# Allegro board IMC-IO_A-IN_A2.brd
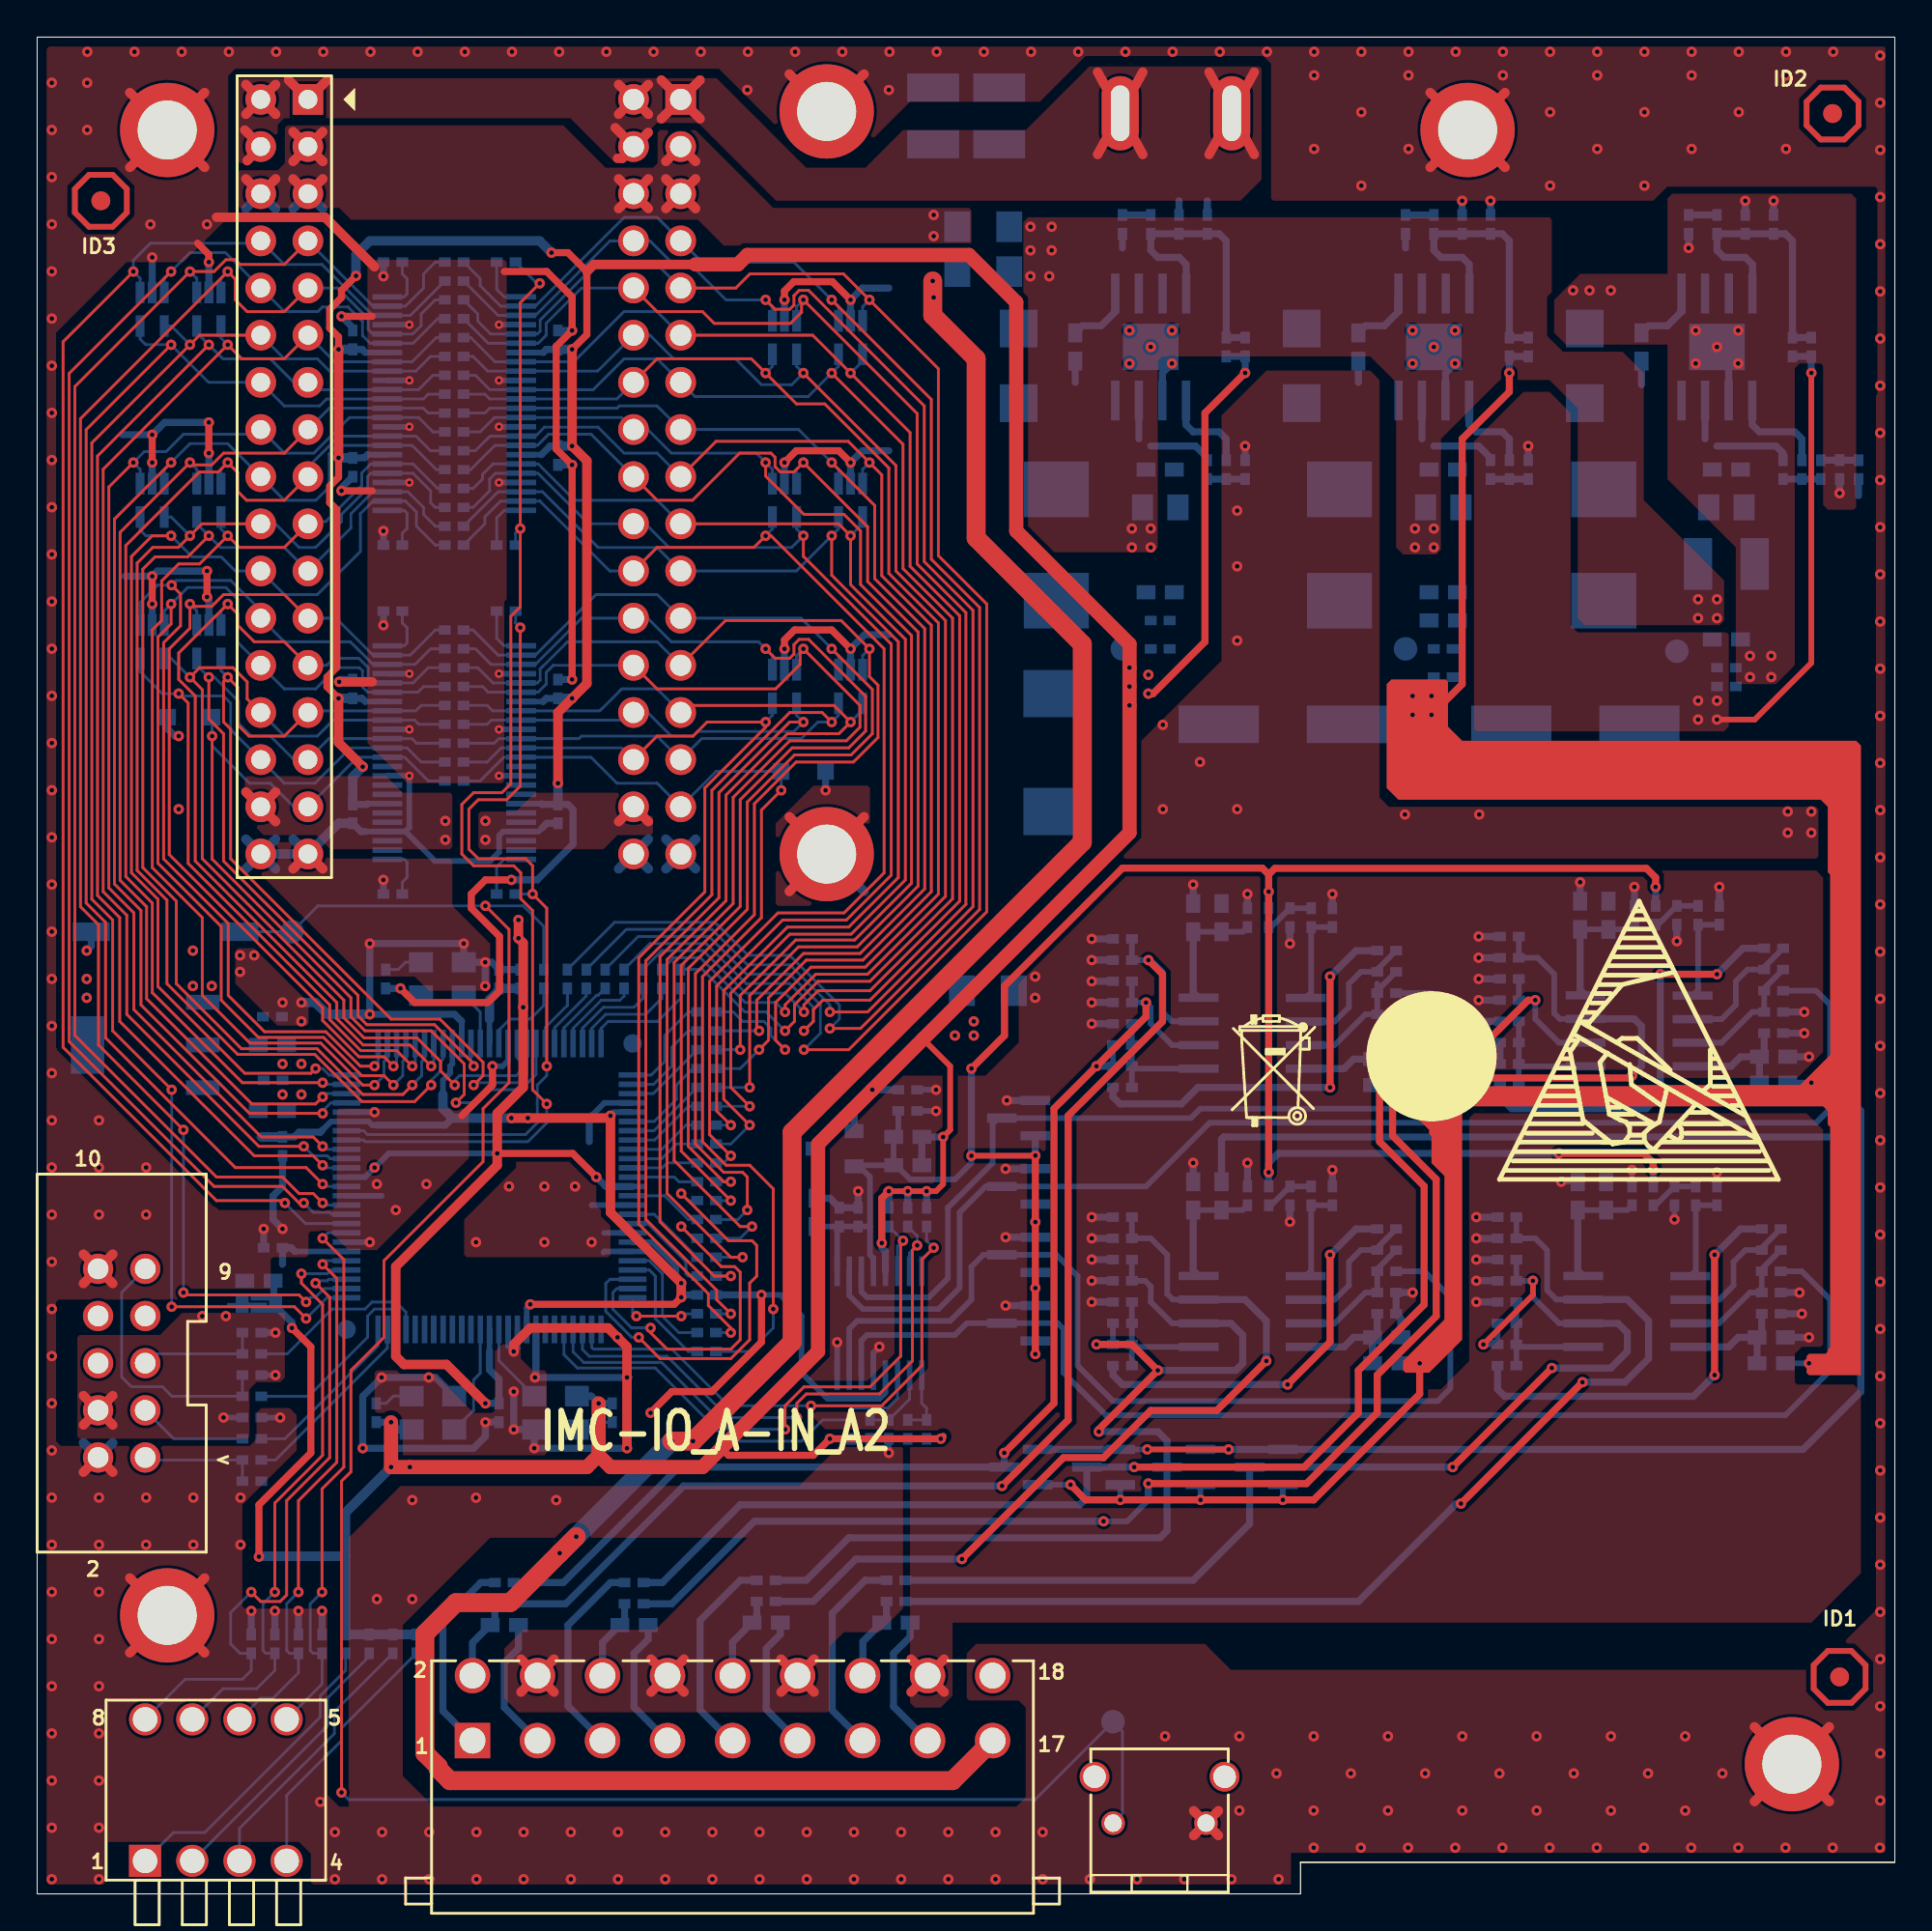
[diagram p0: board, top side]
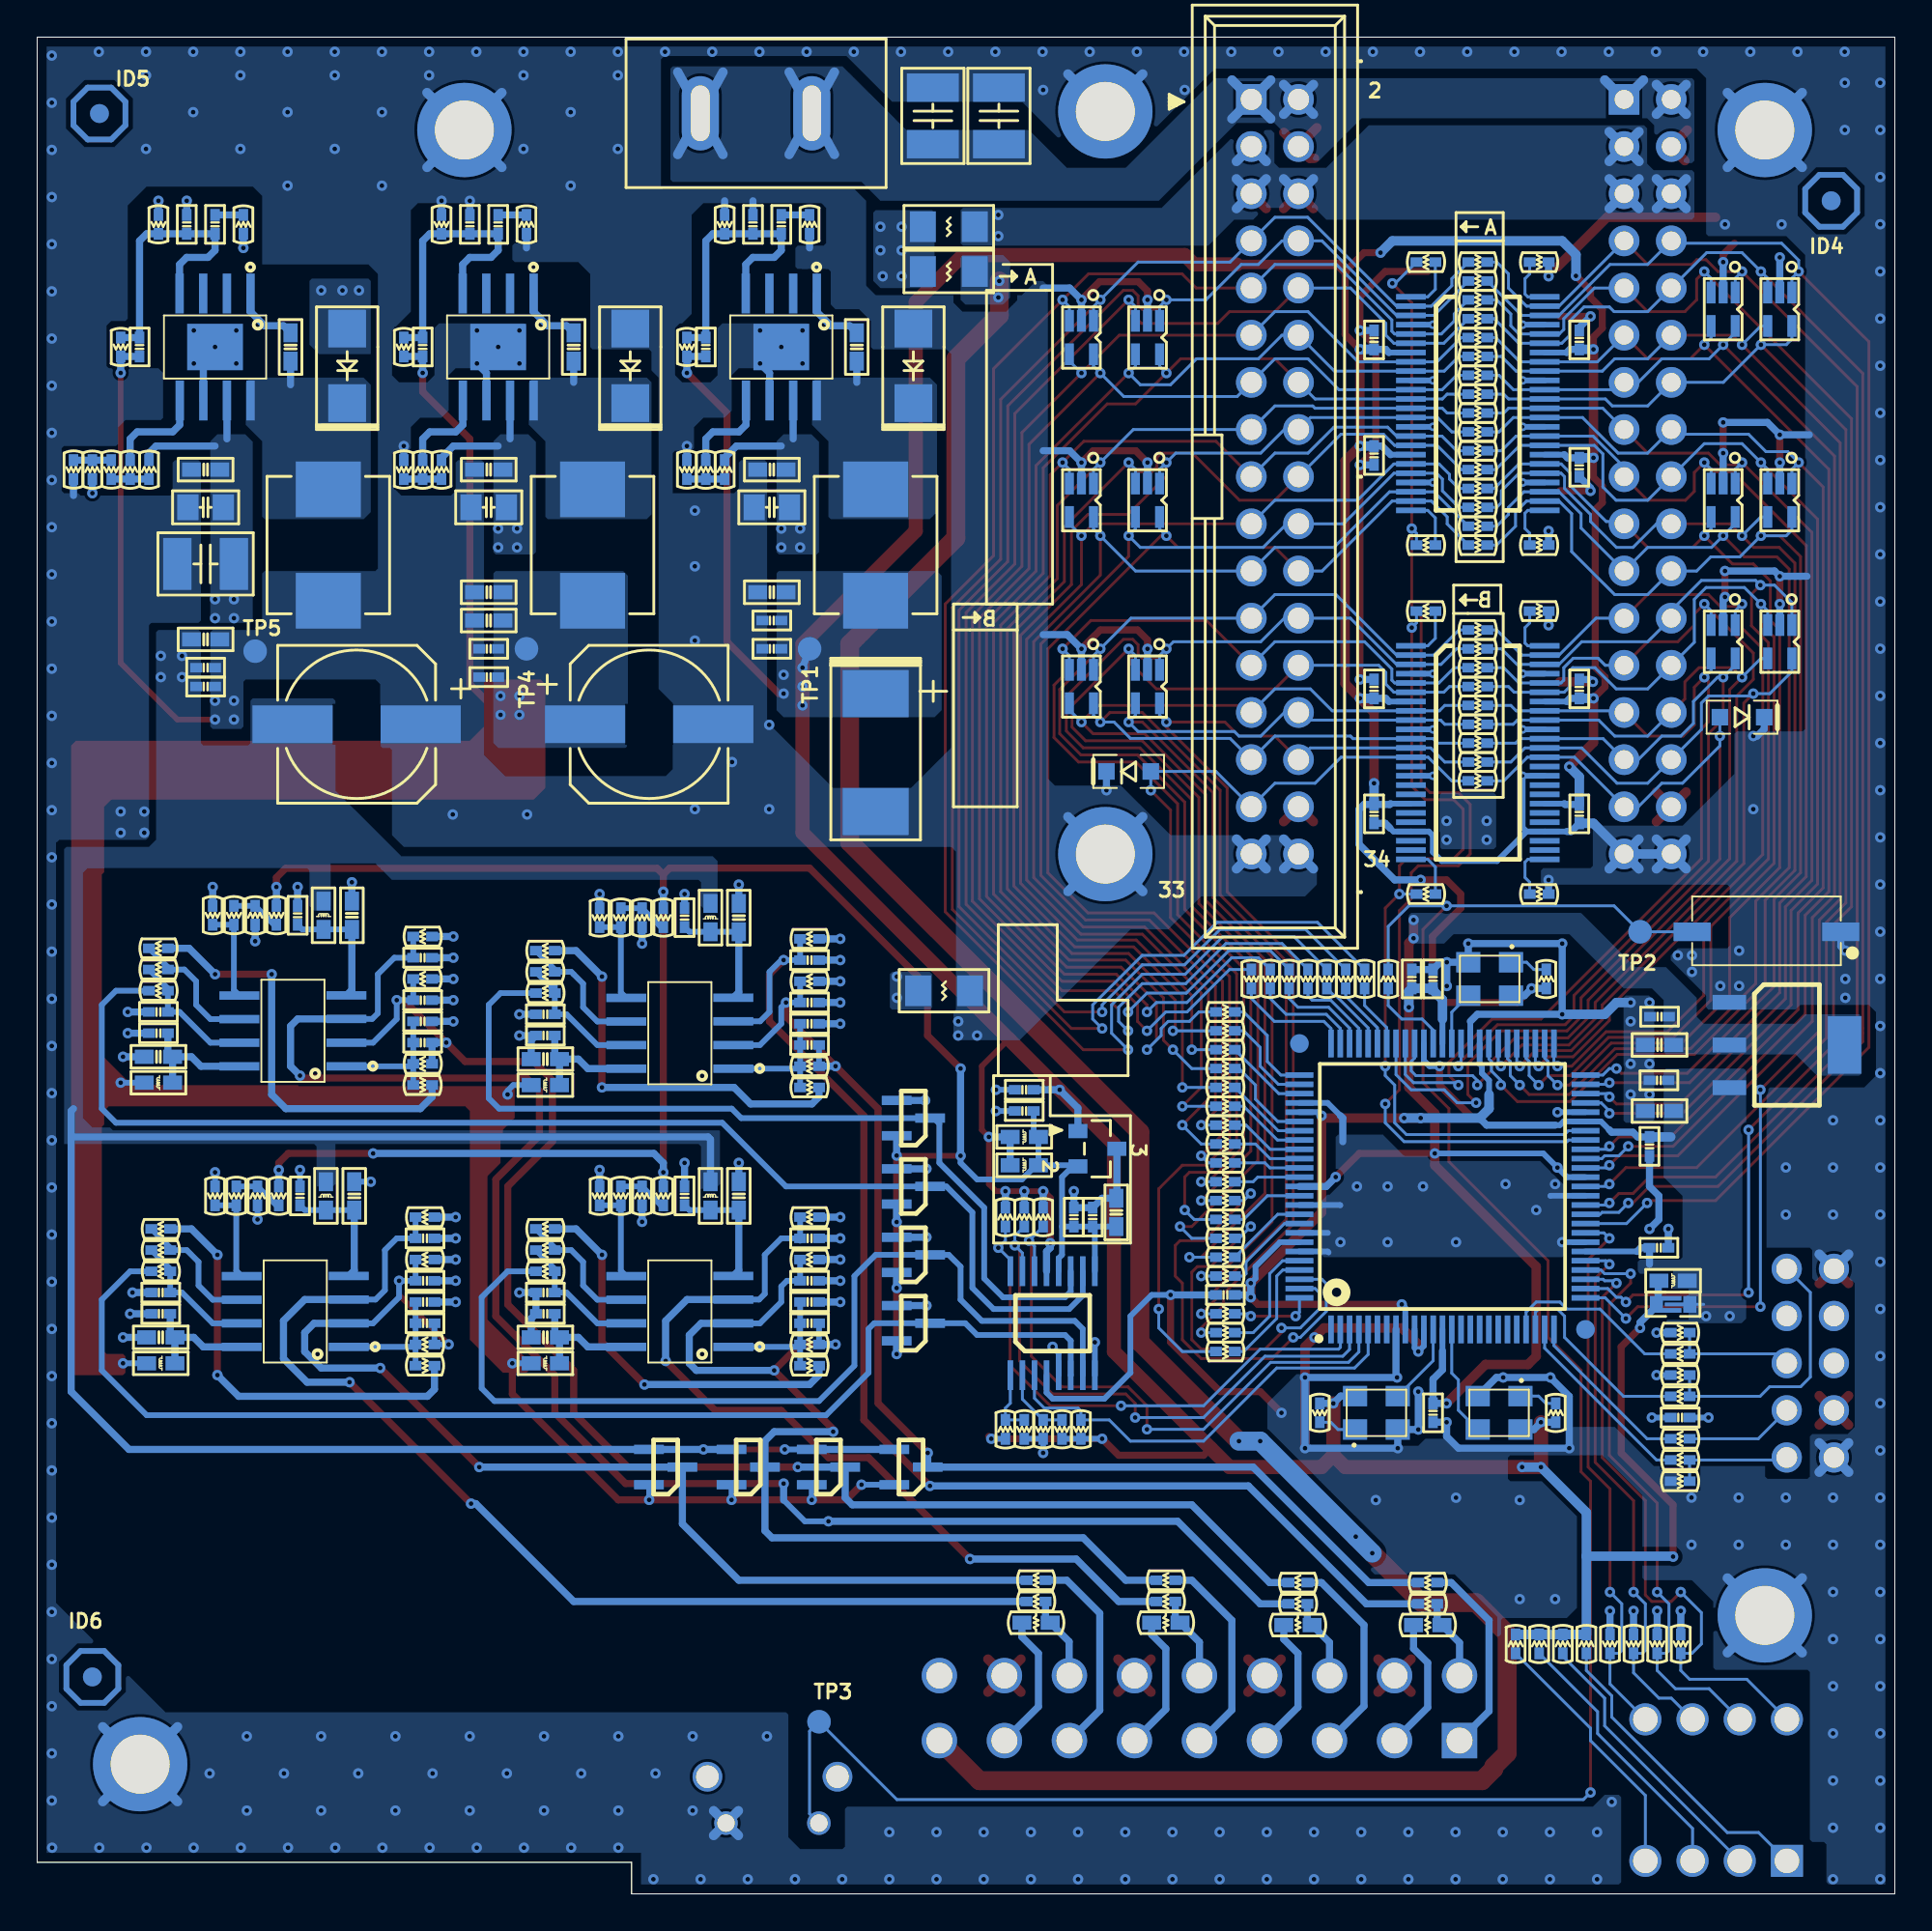
[diagram p1: board, bottom side, seen from below]

Outline 100 x 100 mm; copper layers: TOP, BOTTOM. Coordinates in mm from the lower left corner of the outline.
Outline path: 0,100 0,0 ; 0,100 100,100 ; 0,100 0,0 ; 0,100 100,100 ; 0,0 68,0 ; 0,0 68,0 ; 100,100 100,1.7 ; 100,100 100,1.7 ; 68,0 68,1.7 ; 68,0 68,1.7 ; 68,1.7 100,1.7 ; 68,1.7 100,1.7

## Design rules (mm)
net group AIN0: nets AIN0 N12532476
net group AIN1: nets AIN1 N12535042
net group AIN2: nets AIN2 N12539490
net group AIN3: nets AIN3 N12540610
net group EX_ADD5: nets EX_ADD5 N12576967
net group EX_DATA5: nets EX_DATA5 N12577019
net group EX_DATA6: nets EX_DATA6 N12577021
net group EX_DATA7: nets EX_DATA7 N12577025
net group EX_DATA8: nets EX_DATA8 N12577023
net group IIN0+: nets IIN0+ N12518351 V/IIN0-
net group IIN1+: nets IIN1+ N12534254 V/IIN1-
net group IIN2+: nets IIN2+ N12538702 V/IIN2-
net group IIN3+: nets IIN3+ N12539814 V/IIN3-
net group POWER: nets VDD_24V
net group VIN0+: nets N12518251 N12518743 N12518887 VIN0+
net group VIN1+: nets N12534114 N12534118 N12534752 VIN1+
net group VIN2+: nets N12538562 N12538566 N12539200 VIN2+
net group VIN3+: nets N12539666 N12539678 N12540324 VIN3+

## Placement (name value [footprint] x y rotation side)
C1  10nF  [C0603]  55.88 83.31 270 bottom
C2  150uF  [CAP_CASE_D]  54.86 61.47 90 bottom
C3  1.5nF  [C0402]  64.01 83.31 90 bottom
C4  10uF  [C0603]  60.45 70.1 0 bottom
C5  100nF  [C0402]  60.45 67.06 0 bottom
C6  100nF  [C0402]  60.45 68.58 0 bottom
C7  4.7uF  [C0805]  60.45 74.68 0 bottom
C8  150pF  [C0402]  61.47 89.92 90 bottom
C9  100nF  [C0603]  60.45 76.71 0 bottom
C10  100nF  [C0402]  59.94 89.92 90 bottom
C11  10uF  [C0603]  12.67 42.16 0 bottom
C12  100nF  [C0402]  12.7 43.81 0 bottom
C13  10uF  [C0603]  12.67 45.72 0 bottom
C14  100nF  [C0402]  12.67 47.24 0 bottom
C15  100nF  [C0402]  12.7 34.8 180 bottom
C16  100nF  [C0402]  36.04 32.26 0 bottom
C17  100nF  [C0402]  13.21 40.26 270 bottom
C18  100nF  [C0402]  24.86 25.91 270 bottom
C19  100nF  [C0402]  26 49.28 90 bottom
C20  100nF  [C0402]  24.86 49.28 90 bottom
C21  100nF  [C0402]  11.56 25.65 0 bottom
C22  100nF  [C0402]  28.03 83.69 90 bottom
C23  100nF  [C0402]  16.99 83.69 90 bottom
C24  100nF  [C0402]  16.99 76.83 270 bottom
C25  100nF  [C0402]  28.03 58.17 270 bottom
C26  100nF  [C0402]  28.03 77.47 270 bottom
C27  100nF  [C0402]  28.03 64.9 90 bottom
C28  100nF  [C0402]  16.99 58.17 270 bottom
C29  100nF  [C0402]  16.99 64.9 90 bottom
C62  10uF  [C1210]  48.23 95.76 90 bottom
C63  10uF  [C1210]  51.78 95.76 90 bottom
C65  100nF  [C0603]  75.69 76.71 0 bottom
C66  1.5nF  [C0402]  79.25 83.31 90 bottom
C67  150pF  [C0402]  76.71 89.92 90 bottom
C68  100nF  [C0402]  75.18 89.92 90 bottom
C69  10nF  [C0603]  71.12 83.31 270 bottom
C70  4.7uF  [C0805]  75.69 74.68 0 bottom
C71  10uF  [C0603]  75.69 70.1 0 bottom
C72  100nF  [C0402]  75.69 65.53 0 bottom
C73  100nF  [C0402]  75.69 67.06 0 bottom
C75  100nF  [C0603]  90.93 76.71 0 bottom
C76  1.5nF  [C0402]  94.49 83.31 90 bottom
C77  150pF  [C0402]  91.95 89.92 90 bottom
C78  100nF  [C0402]  90.42 89.92 90 bottom
C79  10nF  [C0603]  86.36 83.31 270 bottom
C80  4.7uF  [C0805]  90.93 74.68 0 bottom
C81  10uF  [C0603]  90.93 67.56 0 bottom
C82  100nF  [C0402]  90.93 65.02 0 bottom
C83  100nF  [C0402]  90.93 66.04 0 bottom
C84  10uF  [C1210]  90.93 71.63 0 bottom
C85  10uF  [C0603]  75.69 68.58 0 bottom
C86  100uF 50V 20%  [AEC8_5X8_5-H10_5]  67.06 62.99 180 bottom
C87  100uF 50V 20%  [AEC8_5X8_5-H10_5]  82.8 62.99 0 bottom
C88  100nF  [C0402]  46.86 43.31 180 bottom
C89  100nF  [C0402]  46.86 42.16 0 bottom
C90  1nF  [C0402]  43.18 36.45 90 bottom
C91  100nF  [C0402]  44.2 36.45 90 bottom
C92  10uF  [C0603]  41.91 36.7 90 bottom
C93  10uF  [C0603]  62.23 52.58 90 bottom
C94  100nF  [C0402]  65.15 52.58 90 bottom
C95  1nF  [C0402]  58.42 45.72 0 bottom
C96  1nF  [C0402]  58.42 48.01 180 bottom
C97  1nF  [C0402]  58.42 46.86 180 bottom
C98  1nF  [C0402]  72.64 47.37 0 bottom
C99  1nF  [C0402]  58.42 50.29 180 bottom
C100  100nF  [C0402]  72.64 46.23 0 bottom
C101  10uF  [C0603]  72.64 44.96 0 bottom
C102  10uF  [C0603]  83.06 52.7 90 bottom
C103  100nF  [C0402]  85.98 52.7 90 bottom
C104  1nF  [C0402]  79.25 45.85 0 bottom
C105  1nF  [C0402]  79.25 48.13 180 bottom
C106  1nF  [C0402]  79.25 46.99 180 bottom
C107  1nF  [C0402]  93.47 47.5 0 bottom
C108  1nF  [C0402]  79.25 50.42 180 bottom
C109  100nF  [C0402]  93.47 46.35 0 bottom
C110  10uF  [C0603]  93.47 45.09 0 bottom
C111  10uF  [C0603]  62.23 37.59 90 bottom
C112  100nF  [C0402]  65.15 37.59 90 bottom
C113  1nF  [C0402]  58.42 30.73 0 bottom
C114  1nF  [C0402]  58.42 33.02 180 bottom
C115  1nF  [C0402]  58.42 31.88 180 bottom
C116  1nF  [C0402]  72.64 32.38 0 bottom
C117  1nF  [C0402]  58.42 35.31 180 bottom
C118  100nF  [C0402]  72.64 31.24 0 bottom
C119  10uF  [C0603]  72.64 29.97 0 bottom
C120  10uF  [C0603]  82.93 37.59 90 bottom
C121  100nF  [C0402]  85.85 37.59 90 bottom
C122  1nF  [C0402]  79.12 30.73 0 bottom
C123  1nF  [C0402]  79.12 33.02 180 bottom
C124  1nF  [C0402]  79.12 31.88 180 bottom
C125  1nF  [C0402]  93.34 32.38 0 bottom
C126  1nF  [C0402]  79.12 35.31 180 bottom
C127  100nF  [C0402]  93.34 31.24 0 bottom
C128  10uF  [C0603]  93.34 29.97 0 bottom
CON1  2.54mm 2x5 TH BOX  [CON_2D54_2X5_TH_BOX]  4.55 28.58 270 top
D1  MBRA340T3G  [SMA]  52.83 82.3 270 bottom
D18  PESD3V3L1BA  [SOD323]  8.23 63.37 180 bottom
D19  PESD3V3L1BA  [SOD323]  41.25 60.45 0 bottom
D20  MBRA340T3G  [SMA]  68.07 82.3 270 bottom
D21  MBRA340T3G  [SMA]  83.31 82.3 270 bottom
D22  220R/100MHz  [L0603]  11.94 33.02 180 bottom
D23  BAT54SLT1G  [SOT23-3_DBZ3]  52.96 22.99 0 bottom
D24  BAT54SLT1G  [SOT23-3_DBZ3]  52.83 41.78 0 bottom
D25  BAT54SLT1G  [SOT23-3_DBZ3]  57.4 22.99 0 bottom
D26  BAT54SLT1G  [SOT23-3_DBZ3]  52.83 38.1 0 bottom
D27  BAT54SLT1G  [SOT23-3_DBZ3]  61.72 22.99 0 bottom
D28  BAT54SLT1G  [SOT23-3_DBZ3]  52.83 34.42 0 bottom
D29  BAT54SLT1G  [SOT23-3_DBZ3]  66.17 22.99 0 bottom
D30  BAT54SLT1G  [SOT23-3_DBZ3]  52.83 30.73 0 bottom
FB1  220R/100MHz  [L0603]  46.86 39.24 180 bottom
FB2  220R/100MHz  [L0603]  46.86 40.77 180 bottom
FB3  220R/100MHz  [L0603]  63.75 52.58 90 bottom
FB4  220R/100MHz  [L0603]  72.64 43.56 0 bottom
FB5  220R/100MHz  [L0603]  84.58 52.7 90 bottom
FB6  220R/100MHz  [L0603]  93.47 43.69 0 bottom
FB7  220R/100MHz  [L0603]  63.75 37.59 90 bottom
FB8  220R/100MHz  [L0603]  72.64 28.57 0 bottom
FB9  220R/100MHz  [L0603]  84.45 37.59 90 bottom
FB10  220R/100MHz  [L0603]  93.34 28.57 0 bottom
H1  C200D125  [MHOLE_C200D125]  7 95 0 top
H2  C200D125  [MHOLE_C200D125]  77 95 0 top
H3  C200D125  [MHOLE_C200D125]  7 15 0 top
H4  C200D125  [MHOLE_C200D125]  94.46 6.99 0 top
H5  C200D125  [MHOLE_C200D125]  42.5 96 0 top
H6  C200D125  [MHOLE_C200D125]  42.5 56 0 top
J2  KF2EDGKRG-3.5-18P14  [CON18-3_5-34_3X13_6-H15_2]  37.43 10.16 0 top
J3  Female Header_17x2P_2.54mm  [FEMALE_HEADER_17X2P_254MM]  14.58 96.65 0 top
J4  2.54mm 2x17 TH BOX ,add H  [HD2X17-2_54-50_8X9_1MM-S]  33.37 76.33 270 bottom
J5  CON2  [METAL_DOME]  58.3 95.9 0 bottom
L1  22uH  [L7D3X6D6X2D8MM]  54.86 72.64 270 bottom
L2  22uH  [L7D3X6D6X2D8MM]  70.1 72.64 270 bottom
L3  22uH  [L7D3X6D6X2D8MM]  84.33 72.64 270 bottom
NOREF  -  []  68 0 90 top
NOREF#2  -  []  86.74 45.47 0 top
NOREF#3  -  []  -27.94 -23.88 0 top
NOREF#4  -  []  209.27 168.98 0 top
NOREF#5  -  []  2 0 0 top
NOREF#6  -  []  232.13 76.27 0 top
NOREF#7  -  []  75.56 45.34 0 top
NOREF#8  -  [unnamed#2]  3.43 91.19 0 top
NOREF#9  -  [unnamed#2]  96.65 95.89 0 top
NOREF#10  -  []  2 0 0 top
NOREF#11  -  []  203.07 46.35 0 top
NOREF#12  -  [unnamed#2]  97.03 11.68 0 top
NOREF#13  -  []  69.09 44.45 0 top
NOREF#14  -  []  0 100 0 top
NOREF#15  -  []  232.13 105.48 0 top
NOREF#16  -  [unnamed#2]  97.03 11.68 180 bottom
NOREF#17  -  [unnamed#2]  96.65 95.89 180 bottom
NOREF#18  -  [unnamed#2]  3.43 91.19 180 bottom
OSC1  12MHz  [SMD_3225]  27.91 25.91 180 bottom
OSC2  25MHz  [SMD_3225]  21.3 25.91 0 bottom
OSC3  48MHz  [SMD_3225]  21.81 49.28 0 bottom
P1  5M570ZT100C5N  [QFP_100P_50_1600X1600X160]  24.35 38.1 90 bottom
R1  21K 1%  [R0402]  65.02 83.31 90 bottom
R2  22K  [R0402]  62.99 76.71 270 bottom
R3  1K  [R0402]  64.01 76.71 270 bottom
R4  12.1K 1%  [R0402]  62.99 89.92 90 bottom
R5  8.2K  [R0402]  65.02 76.71 90 bottom
R6  549R  [R0402]  58.42 89.92 270 bottom
R7  10K  [R0402]  11.56 30.23 0 bottom
R8  10K  [R0402]  11.56 27.94 0 bottom
R9  1K  [R0402]  11.56 22.23 0 bottom
R10  0R  [R0402]  36.04 45.47 0 bottom
R11  0R  [R0402]  36.04 44.45 0 bottom
R12  0R  [R0402]  36.04 43.43 0 bottom
R13  0R  [R0402]  36.04 42.42 0 bottom
R14  0R  [R0402]  36.04 41.4 0 bottom
R15  0R  [R0402]  36.04 40.39 0 bottom
R16  0R  [R0402]  36.04 39.37 0 bottom
R17  0R  [R0402]  36.04 38.35 0 bottom
R18  0R  [R0402]  36.04 37.34 0 bottom
R19  0R  [R0402]  36.04 36.32 0 bottom
R20  0R  [R0402]  36.04 35.31 0 bottom
R21  0R  [R0402]  28.54 49.28 90 bottom
R22  0R  [R0402]  36.04 34.29 0 bottom
R23  0R  [R0402]  29.56 49.28 90 bottom
R24  0R  [R0402]  36.04 33.27 0 bottom
R25  0R  [R0402]  30.57 49.28 90 bottom
R26  0R  [R0402]  36.04 31.24 0 bottom
R27  0R  [R0402]  31.59 49.28 90 bottom
R28  0R  [R0402]  36.04 30.23 0 bottom
R29  0R  [R0402]  32.61 49.28 90 bottom
R30  0R  [R0402]  36.04 29.21 0 bottom
R31  0R  [R0402]  33.62 49.28 90 bottom
R32  0R  [R0402]  34.64 49.28 90 bottom
R33  0R  [R0402]  36.04 47.5 0 bottom
R34  0R  [R0402]  36.04 46.48 0 bottom
R35  1K  [R0402]  16.6 13.46 270 bottom
R36  10K  [R0402]  30.96 25.91 90 bottom
R37  10K  [R0402]  18.26 25.91 270 bottom
R38  10K  [R0402]  18.76 49.28 270 bottom
R39  1K  [R0402]  17.87 13.46 270 bottom
R40  1K  [R0402]  19.14 13.46 270 bottom
R41  1K  [R0402]  20.41 13.46 270 bottom
R42  10K  [R0402]  15.33 13.46 90 bottom
R43  10K  [R0402]  14.06 13.46 90 bottom
R44  10K  [R0402]  12.79 13.46 90 bottom
R45  10K  [R0402]  11.52 13.46 90 bottom
R126  0R  [R0402]  22.45 87.88 0 bottom
R127  0R  [R0402]  22.45 86.87 0 bottom
R128  0R  [R0402]  22.45 85.85 0 bottom
R129  0R  [R0402]  22.45 84.83 0 bottom
R130  0R  [R0402]  22.45 83.82 0 bottom
R131  0R  [R0402]  22.45 82.8 0 bottom
R132  0R  [R0402]  22.45 81.79 0 bottom
R133  0R  [R0402]  22.45 80.77 0 bottom
R134  1K  [R0402]  19.15 87.88 0 bottom
R135  0R  [R0402]  22.45 79.75 0 bottom
R136  0R  [R0402]  22.45 78.74 0 bottom
R137  1K  [R0402]  19.15 69.09 0 bottom
R138  0R  [R0402]  22.45 77.72 0 bottom
R139  1K  [R0402]  19.14 53.85 0 bottom
R140  0R  [R0402]  25.24 69.09 180 bottom
R141  1K  [R0402]  19.15 72.64 0 bottom
R142  0R  [R0402]  22.45 76.71 0 bottom
R143  0R  [R0402]  22.45 75.69 0 bottom
R144  0R  [R0402]  22.45 74.67 0 bottom
R145  0R  [R0402]  25.24 87.88 180 bottom
R146  0R  [R0402]  22.45 73.66 0 bottom
R147  0R  [R0402]  25.24 72.64 180 bottom
R148  0R  [R0402]  25.24 53.85 180 bottom
R149  0R  [R0402]  22.45 72.64 0 bottom
R150  0R  [R0402]  22.45 68.07 0 bottom
R151  0R  [R0402]  22.45 67.05 0 bottom
R152  0R  [R0402]  22.45 66.04 0 bottom
R153  0R  [R0402]  22.45 65.02 0 bottom
R154  0R  [R0402]  22.45 64.01 0 bottom
R155  0R  [R0402]  22.45 62.99 0 bottom
R156  0R  [R0402]  22.45 61.97 0 bottom
R157  0R  [R0402]  22.45 60.96 0 bottom
R158  0R  [R0402]  22.45 59.94 0 bottom
R159  1K  [R0402]  27.27 49.28 270 bottom
R160  22K  [R0402]  78.23 76.71 270 bottom
R161  10K 1%  [R0402]  80.26 83.31 90 bottom
R162  1.1K 1%  [R0402]  78.23 89.92 90 bottom
R163  549R  [R0402]  73.66 89.92 270 bottom
R164  8.2K  [R0402]  80.26 76.71 90 bottom
R165  1K  [R0402]  79.25 76.71 270 bottom
R166  22K  [R0402]  93.98 76.71 270 bottom
R167  10K 1%  [R0402]  95.5 83.31 90 bottom
R168  1.1K 1%  [R0402]  93.47 89.92 90 bottom
R169  549R  [R0402]  88.9 89.92 270 bottom
R170  8.2K  [R0402]  96.01 76.71 90 bottom
R171  1K  [R0402]  95 76.71 270 bottom
R172  0R  [R0402]  97.03 76.71 270 bottom
R173  0R  [R0402]  98.04 76.71 90 bottom
R199  0R  [R1206]  50.93 89.79 0 bottom
R200  0R  [R1206]  50.93 87.38 0 bottom
R201  10K  [R0402]  47.88 36.45 270 bottom
R202  10K  [R0402]  46.86 36.45 270 bottom
R203  10K  [R0402]  43.81 25.02 90 bottom
R204  10K  [R0402]  45.85 36.45 270 bottom
R205  10K  [R0402]  47.88 25.02 270 bottom
R206  10K  [R0402]  44.83 25.02 90 bottom
R207  10K  [R0402]  46.86 25.02 90 bottom
R208  10K  [R0402]  45.85 25.02 90 bottom
R209  0R  [R1206]  51.18 48.64 180 bottom
R210  1.5K 1%  [R0402]  72.64 50.8 180 bottom
R211  1.5K 1%  [R0402]  72.64 49.66 180 bottom
R212  51K 1%  [R0402]  25.15 16.76 180 bottom
R213  5.1K 1%  [R0402]  58.42 44.58 180 bottom
R214  150K 1%  [R0402]  58.42 49.15 180 bottom
R215  0R  [R0402]  58.42 43.43 0 bottom
R216  0R  [R0402]  72.64 48.51 180 bottom
R217  1K 1%  [R0402]  66.29 52.58 90 bottom
R218  1.5K 1%  [R0402]  68.58 52.58 90 bottom
R219  820R  [R0603]  25.15 14.48 180 bottom
R220  1.5K 1%  [R0402]  67.44 52.58 270 bottom
R221  1.5K 1%  [R0402]  69.72 52.58 90 bottom
R222  51K 1%  [R0402]  25.15 15.62 180 bottom
R223  5.1K 1%  [R0402]  58.42 51.44 180 bottom
R224  1.5K 1%  [R0402]  93.47 50.93 180 bottom
R225  1.5K 1%  [R0402]  93.47 49.78 180 bottom
R226  51K 1%  [R0402]  32.13 16.76 180 bottom
R227  5.1K 1%  [R0402]  79.25 44.7 180 bottom
R228  150K 1%  [R0402]  79.25 49.28 180 bottom
R229  0R  [R0402]  79.25 43.56 0 bottom
R230  0R  [R0402]  93.47 48.64 180 bottom
R231  1K 1%  [R0402]  87.12 52.7 90 bottom
R232  1.5K 1%  [R0402]  89.41 52.7 90 bottom
R233  820R  [R0603]  32.13 14.48 180 bottom
R234  1.5K 1%  [R0402]  88.27 52.7 270 bottom
R235  1.5K 1%  [R0402]  90.55 52.7 90 bottom
R236  51K 1%  [R0402]  32.13 15.62 180 bottom
R237  5.1K 1%  [R0402]  79.25 51.56 180 bottom
R238  1.5K 1%  [R0402]  72.64 35.81 180 bottom
R239  1.5K 1%  [R0402]  72.64 34.67 180 bottom
R240  51K 1%  [R0402]  39.24 16.89 180 bottom
R241  5.1K 1%  [R0402]  58.42 29.59 180 bottom
R242  150K 1%  [R0402]  58.42 34.16 180 bottom
R243  0R  [R0402]  58.42 28.45 0 bottom
R244  0R  [R0402]  72.64 33.53 180 bottom
R245  1K 1%  [R0402]  66.29 37.59 90 bottom
R246  1.5K 1%  [R0402]  68.58 37.59 90 bottom
R247  820R  [R0603]  39.24 14.61 180 bottom
R248  1.5K 1%  [R0402]  67.44 37.59 270 bottom
R249  1.5K 1%  [R0402]  69.72 37.59 90 bottom
R250  51K 1%  [R0402]  39.24 15.75 180 bottom
R251  5.1K 1%  [R0402]  58.42 36.45 180 bottom
R252  1.5K 1%  [R0402]  93.34 35.81 180 bottom
R253  1.5K 1%  [R0402]  93.34 34.67 180 bottom
R254  51K 1%  [R0402]  46.23 16.89 180 bottom
R255  5.1K 1%  [R0402]  79.12 29.59 180 bottom
R256  150K 1%  [R0402]  79.12 34.16 180 bottom
R257  0R  [R0402]  79.12 28.45 0 bottom
R258  0R  [R0402]  93.34 33.53 180 bottom
R259  1K 1%  [R0402]  87 37.59 90 bottom
R260  1.5K 1%  [R0402]  89.28 37.59 90 bottom
R261  820R  [R0603]  46.23 14.61 180 bottom
R262  1.5K 1%  [R0402]  88.14 37.59 270 bottom
R263  1.5K 1%  [R0402]  90.42 37.59 90 bottom
R264  51K 1%  [R0402]  46.23 15.75 180 bottom
R265  5.1K 1%  [R0402]  79.12 36.45 180 bottom
R266  33R  [R0402]  11.56 23.37 180 bottom
R267  33R  [R0402]  11.56 24.51 180 bottom
R268  33R  [R0402]  11.56 29.08 180 bottom
R269  33R  [R0402]  11.56 26.8 180 bottom
RST1  SW PUSHBUTTON-SPST 90 SHIELD  [CON_BUTTON_SPST_TH_90]  60.42 3.81 0 top
SH2  RES_SHORT-2  [SH0603]  11.94 31.75 180 bottom
SW1  SW_PUSHBUTTON_SPST  [BUTTON_SPST_SMT]  7.11 51.82 0 bottom
SW2  2.54_4BIT_DIP_SW  [SW8-2_54-11_82X12_1-H9_7]  9.62 5.59 0 top
TP1  -  [TP50]  58.42 67.06 90 bottom
TP2  TP30  [TP50]  13.72 51.82 180 bottom
TP3  TP30  [TP50]  57.91 9.27 180 bottom
TP4  -  [TP50]  73.66 67.06 90 bottom
TP5  -  [TP50]  88.27 66.93 90 bottom
U1  TPS5430DDA  [SON8_DDA8]  59.94 83.31 270 bottom
U2  SPX1117M3-L-1-8  [SOT223-4_DCY4]  5.81 45.72 180 bottom
U7  74ALVC164245DGG  [TSSOP48_DGG48]  22.45 80.26 180 bottom
U8  74ALVC164245DGG  [TSSOP48_DGG48]  22.45 61.47 180 bottom
U9  PESD3V3L4UG  [SOT353]  9.24 85.34 0 bottom
U10  PESD3V3L4UG  [SOT353]  6.19 85.34 0 bottom
U11  PESD3V3L4UG  [SOT353]  43.79 83.82 0 bottom
U12  PESD3V3L4UG  [SOT353]  40.23 83.82 0 bottom
U13  PESD3V3L4UG  [SOT353]  9.24 75.06 0 bottom
U14  PESD3V3L4UG  [SOT353]  6.19 75.06 0 bottom
U15  PESD3V3L4UG  [SOT353]  43.79 75.06 0 bottom
U16  PESD3V3L4UG  [SOT353]  40.23 75.06 0 bottom
U17  PESD3V3L4UG  [SOT353]  9.24 67.44 0 bottom
U18  PESD3V3L4UG  [SOT353]  6.19 67.44 0 bottom
U19  PESD3V3L4UG  [SOT353]  43.79 65.02 0 bottom
U20  PESD3V3L4UG  [SOT353]  40.23 65.02 0 bottom
U22  TPS5430DDA  [SON8_DDA8]  75.18 83.31 270 bottom
U24  TPS5430DDA  [SON8_DDA8]  90.42 83.31 270 bottom
U25  REF3025AIDBZR  [SOT23_3P_304X264X112]  42.93 40.13 270 bottom
U26  ADS1119IPWR  [TSSOP_16P_65_633X790X199MM]  45.34 30.73 90 bottom
U27  LM2904D  [SOP_8P_127_500X600X175]  65.41 46.35 0 bottom
U28  LM2904D  [SOP_8P_127_500X600X175]  86.23 46.48 0 bottom
U29  LM2904D  [SOP_8P_127_500X600X175]  65.41 31.37 0 bottom
U30  LM2904D  [SOP_8P_127_500X600X175]  86.11 31.37 0 bottom

## Library data of the parts
C1 C4 C9 C11 C13 C65 C69 C71 C75 C79 C81 C85 C92 C93 C101 C102 C110 C111 C119 C120 C128 = CAP NP 0603
C2 C86 C87 = CAP POL
C3 C5 C6 C8 C10 C12 C14-C29 C66-C68 C72 C73 C76-C78 C82 C83 C88-C91 C94-C100 C103-C109 C112-C118 C121-C127 = CAP NP 0402
C7 C70 C80 = CAP NP 0805
C62 C63 C84 = CAP NP 1210
CON1 = CON10A
D1 D20 D21 = DIODE SCHOTTKY: room: power_3.3v
D18 D19 = PESD3V3L1BA
D22 FB1-FB10 = FERRITE BEAD
D23-D30 = DUAL DIODES SERIAL
H1-H6 = HOLE
J2 = CON18A
J3 = HEADER 17X2: User Part Number: HAMP; Tolerance: #TOL
J4 = CON34A
J5 = CON2
L1-L3 = INDUCTOR: room: power_3.3v
OSC1-OSC3 = OSCILLATOR SMD 4PIN
P1 = 5M570ZT100
R1 R4 R161 R162 R167 R168 = R: room: power_3.3v
R2 R3 R5 R7-R29 R38-R45 R126-R160 R164-R166 R170-R173 R199-R211 R217 R218 R220 R221 R224 R225 R231 R232 R234 R235 R238 R239 R245 R246 R248 R249 R252 R253 R259 R260 R262 R263 R266-R269 = R
R6 R163 R169 = R: room: power
R30-R37 = R: signal model: R_R0402_22R_22R
R212 R222 R226 R236 R240 R250 R254 R264 = R: signal model: R_R0402_25.5K_25.5K
R213 R223 R227 R237 R241 R251 R255 R265 = R: signal model: R_R0402_5.1K_1%_5.1K_1%
R214 R228 R242 R256 = R: signal model: R_R0402_150K_1%_150K_1%
R215 R216 R229 R230 R243 R244 R257 R258 = R: signal model: R_R0402_100R_1%_100R_1%
R219 R233 R247 R261 = R: signal model: R_R0603_820R_820R
RST1 = SW PUSHBUTTON-SPST SHIELD
SH2 = RES_SHORT-2
SW1 = SW PUSHBUTTON-SPST
SW2 = SW DIP-8
TP1-TP5 = TEST POINT
U1 U22 U24 = TPS5430DDA: room: power_3.3v
U2 = SPX1117M3
U7 U8 = 74ALVC164245DGG
U9-U20 = PESD3V3L4UG
U25 = REF3030AIDBZT
U26 = ADS1119IPWR
U27-U30 = OPA_8PIN_DUALL
